# KiCad board B3_panel.kicad_pcb (continued)
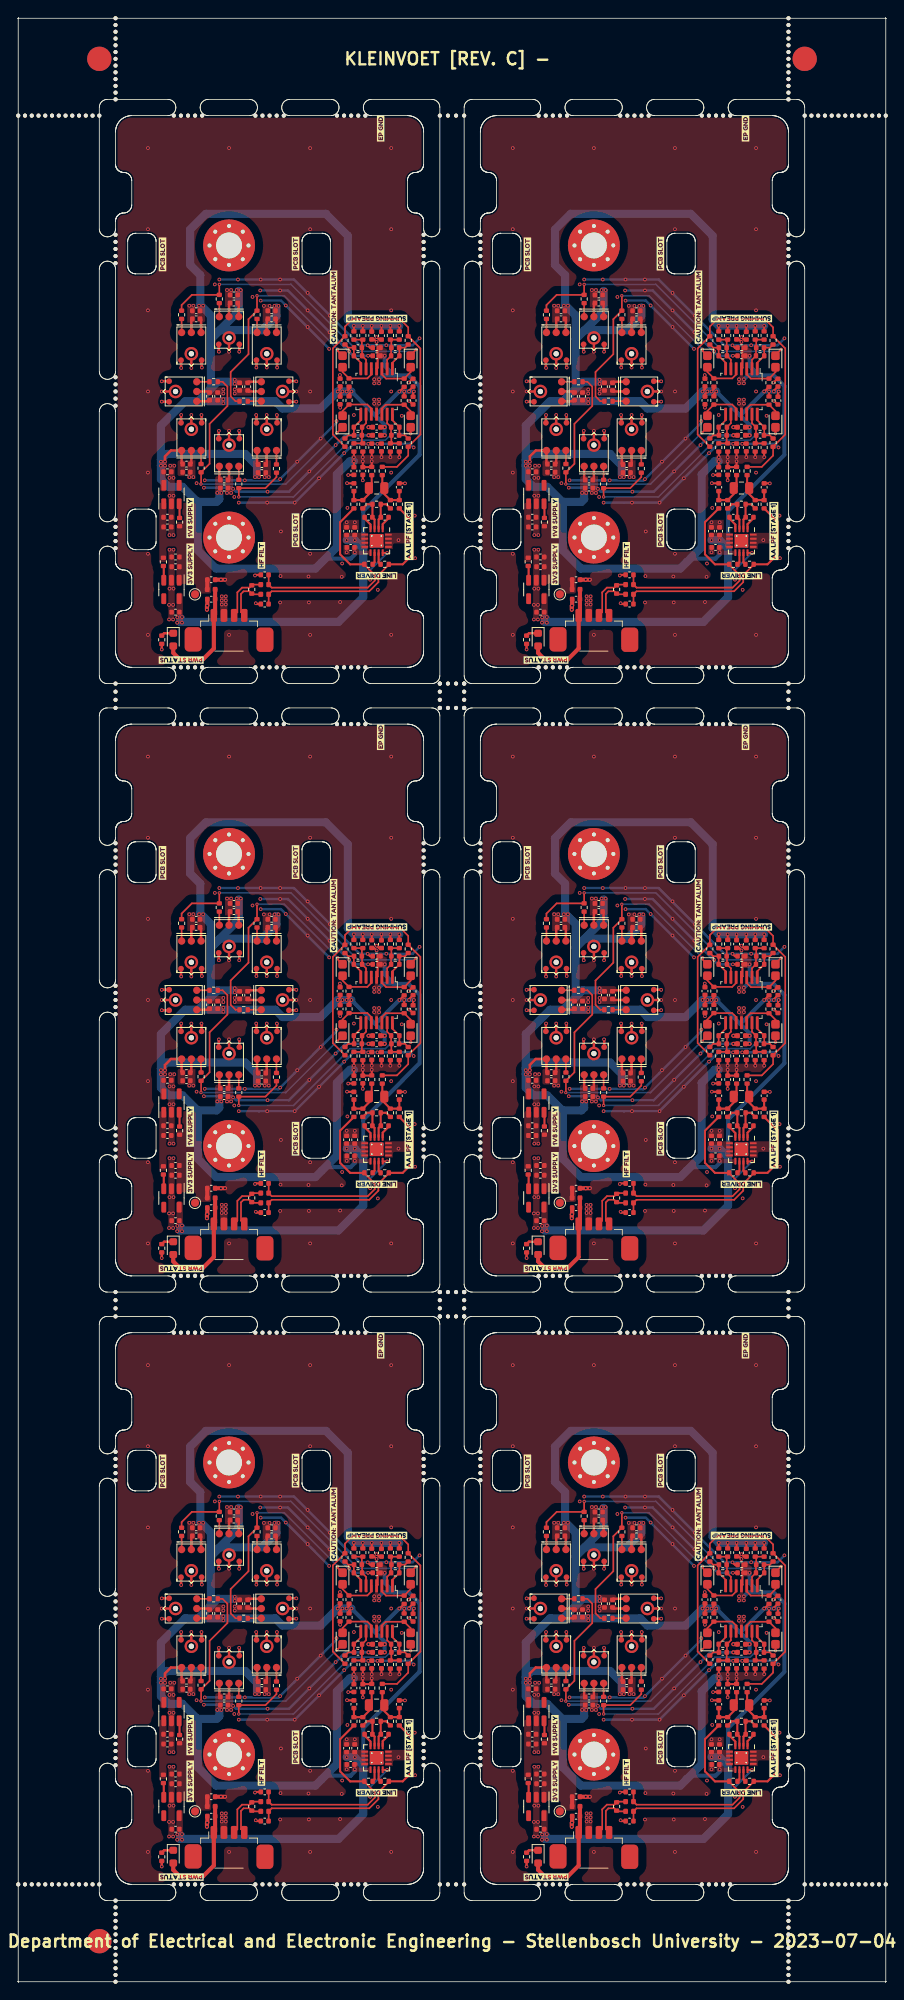
[diagram p0: board, top side]
## Routing (per net, layer and track width the routed paths; a pad name or vN(x,y) marks a point on that pad's centre or on a via; arc(x,y) is an arc through that point) (continued)
  Top w0.3: v1(74.35,193.1) 74.38,193.07 MK1405#3.4 ; MK1406.4 67.62,198.98 v1(67.65,198.95) ; CB1401#5.2 75.65,187.12 MK1405#3.6 ; MK1408#3.2 74.38,198.95 v1(74.38,198.95) ; v1(76.93,198.95) 76.92,198.95 MK1408#3.4 ; CB1404#4.2 71,206.78 MK1402#3.6 ; MK1403#4.3 v1(79.3,196) ; MK1404#6.4 62.72,194.73 v1(62.7,194.75) ; v1(72.25,191.15) 72.27,191.13 MK1401#3.2 ; MK1408#3.3 v1(75.65,198.95) ; v1(69.75,200.9) 69.73,200.92 MK1402#3.2 ; CB1406#5.2 75.65,204.83 MK1408#3.6 ; R1002#6.2 v1(62.7,164.2) ; v1(79.3,194.75) 79.28,194.73 MK1403#4.2 ; MK1403#4.4 79.28,197.27 v1(79.3,197.25) ; v1(69.75,191.15) 69.73,191.13 MK1401#3.4 ; MK1401#3.6 71,185.22 CB1405#5.2 ; MK1407#3.2 67.62,193.08 v1(67.6,193.1) ; MK1403#4.6 73.42,196 CB1407#3.2 ; CB1402.2 66.35,204.83 MK1406.6 ; MK1405#3.3 v1(75.65,193.1) ; C1506#4.2 66.35,187.17 MK1407#3.6 ; MK1404#6.2 62.72,197.27 v1(62.7,197.25) ; MK1404#6.3 v1(62.7,196) ; MK1407#3.4 65.08,193.08 v1(65.1,193.1) ; v1(72.25,200.9) 72.27,200.92 MK1402#3.4 ; MK1401#3.3 v1(71,191.15) ; MK1404#6.6 68.48,196 CB1408#2.2 ; MK1402#3.3 v1(71,200.9) ; MK1407#3.3 v1(66.35,193.1) ; v1(76.9,193.1) 76.92,193.08 MK1405#3.2 ; MK1406.3 v1(66.35,198.9) ; v1(65.1,198.9) 65.08,198.92 MK1406.2
  Top w0.5: C1004#3.2 v1(88.2,191.6) ; v1(68.28,169.1) 68.28,169.57 v1(68.3,169.6) 68.32,169.62 C1003.2 ; v1(70.5,172.8) v1(70,172.8) C1005#5.2 ; C1008.2 v1(88.2,190.6)
  Bottom w0.2: 73.9,185 76.2,185
  Bottom w0.3: v1(94.5,202.55) 93.64,201.69 90.41,201.69 v1(90.4,201.7) 90.39,201.69 v1(88.1,201.69) 88.09,201.7 87.1,201.7 v1(83.45,205.35) 80.7,208.1 v1(80.7,208.15) 80.65,208.15 79,209.8 v1(77.3,209.8) v1(74.9,209.8) v1(72.1,209.8) v1(69.8,209.8) ; v1(93.77,189.1) 93.32,189.55 v1(88.17,189.55) 86.35,189.55 v1(85.2,188.4) v1(82.1,185.3) v1(79.1,182.3) v1(72.2,182.3) ; v1(84.25,192.35) 84.25,192.15 v1(82.3,190.2) 79.45,187.35 v1(79.4,187.35) 79.4,187.3 v1(77.3,185.2) 77.1,185 76.2,185 ; v1(74.9,207.2) 74.9,207.2 77.4,207.2 v1(78,206.6) 80.65,203.95 v1(80.7,203.95) 80.7,203.9 83.35,201.25 v1(83.35,201.25) ; 73.85,185.05 v1(72.95,185.05) v1(68,185.05) ; v1(67.9,184.14) 67.91,184.15 69.48,184.15 69.48,184.15 70.12,184.15 70.12,184.15 71.35,184.15 v1(71.5,184) 71.85,183.65 v1(75.75,183.65) 78.4,183.65 v1(80.9,186.15) v1(84.15,189.4) 85.35,190.6 v1(88.2,190.6) ; v1(74.85,208.45) v1(77.3,208.45) 78.25,208.45 v1(80.7,206) v1(83.4,203.3) 85.75,200.95 v1(85.82,200.95) 85.82,200.88 86.3,200.4 v1(88.15,200.4)
  vias: v1(61,226) v1(61,216) v1(61,206) v1(61,196) v1(61,186) v1(61,176) v1(61,166) v1(63.6,169.7) v1(63.6,167.9) v1(63.75,186.85) v1(63.65,185.35) v1(63.65,183.15) v1(63.65,178.3) v1(63.65,176.5) v1(63.65,171.7) v1(64.1,169.7) v1(64.1,167.9) v1(64.15,185.35) v1(64.15,183.15) v1(64.15,178.3) v1(64.15,176.5) v1(64.15,171.7) v1(64.25,186.85) v1(66.1,206.57) v1(66.1,185.45) v1(66.6,206.57) v1(66.6,185.45) v1(67,184.7) v1(69.25,209.2) v1(70.1,170.75) v1(70.1,170.25) v1(70.1,169.75) v1(70.3,196.25) v1(70.3,195.75) v1(70.6,170.75) v1(70.6,170.25) v1(70.6,169.75) v1(70.75,208.5) v1(70.75,183.5) v1(71,226) v1(71,166) v1(71.25,208.5) v1(71.25,183.5) v1(71.65,183) v1(71.7,196.25) v1(71.7,195.75) v1(73.9,207.65) v1(75.3,206.55) v1(75.4,185.45) v1(75.7,182.3) v1(75.9,185.45) v1(76,206.55) v1(77.35,173.25) v1(77.3,170) v1(77.4,178.75) v1(80.8,173.2) v1(80.85,170) v1(81,226) v1(81,216) v1(81,196) v1(81,176) v1(81,166) v1(84.7,170.05) v1(84.95,174.8) v1(84.9,173.15) v1(85.51,179.88) v1(85.51,176.18) v1(85.6,181.65) v1(86.4,193.1) v1(86.51,179.88) v1(88.4,172.8) v1(88.9,195) v1(88.9,194.5) v1(89.35,171.55) v1(89.5,195) v1(89.5,194.5) v1(91,226) v1(91,216) v1(91,206) v1(91,196) v1(91,186) v1(91,166) v1(91.9,177.68) v1(92.3,193) v1(92.9,177.68) v1(93.9,180.7) v1(93.95,175.45)
Board3_1-Net-(C1601-Pad1): length 5.7
  Top w0.25: C1606#2.2 R1605#5.2 R1603#4.2 88.43,183.53 88.43,184.1 88.6,184.28 R1601#3.1
Board3_1-Net-(C1601-Pad2): length 5.7
  Top w0.25: R1602#6.1 89.9,184.18 89.97,184.1 89.97,183.53 R1604#3.2 R1606#2.2 C1607#4.2
Board3_1-Net-(D1001-K): length 1.5
  Top w0.3: R1002#6.1 63,166.2 D1001#5.1
Board3_1-Net-(U1001-EN): length 1.8
  Top w0.25: R1001#3.2 64.9,182.11 U1001#4.3
Board3_1-Net-(U1002-EN): length 1.8
  Top w0.25: R1003#6.2 62.95,174.44 U1002#4.3
Board3_1-VCC_SENSOR: length 14.1
  Top w0.5: D1001#5.2 64.12,163.78 64.9,163 67.8,163 69.12,164.32 J1101#5.4 69.28,168.56 C1003.1 69.28,171.59 69.28,171.6
Board3_2-+1V8: length 228.4
  Top w0.25: v1(47.6,121) R1628#3.1 ; CB1604#3.1 39.7,120.7 v1(40,121) ; v1(48.2,121) 48.2,121.1 CB1606.1 ; v1(43.6,112.4) R1601#5.2 43.57,111.68 CB1003.1 v1(42.5,112.4) ; R1626#5.2 v1(45.9,112.9) ; R1633#3.1 40.8,120.7 v1(41.1,121) ; R1618#3.2 v1(47,129.1) ; v1(47,121) 47.03,121 R1621#4.1 ; CB1609#4.1 v1(43.6,129.1) ; R1632#5.2 v1(41.4,112.9) ; R1622#2.1 40.8,121.3 v1(40.5,121) ; v1(48.8,121) 48.7,120.9 CB1603.1 ; R1617#3.2 v1(45.9,129.1) ; R1627.2 v1(47,112.9) ; CB1608#5.1 v1(43.6,112.9) ; R1620#2.2 v1(41.4,129.1) ; R1631#5.2 v1(42.5,112.9) ; R1619#2.2 v1(42.5,129.1) ; CB1607#5.1 v1(44.8,112.9) ; C1009.1 v1(41.4,112.4) ; v1(39.4,121) 39.7,121.3 CB1605#3.1 ; CB1610#3.1 v1(44.8,129.1)
  Top w0.3: CB1401#4.1 29.45,112.12 MK1405#2.5 ; MK1402#4.5 27.2,131.78 CB1404#3.1 ; MK1408#5.5 31.85,129.83 CB1406#4.1 ; CB1408#5.1 23.48,119.8 MK1404#4.5 ; CB1407#4.1 28.42,122.2 MK1403#5.5 ; MK1406#5.5 22.55,129.83 CB1402#3.1 ; C1506.1 20.15,112.17 MK1407#4.5 18.83,113.73 18.1,113 v1(18.1,112.35) ; MK1401#5.5 24.8,110.22 CB1405#2.1
  Top w0.5: C1004#4.1 v1(45.2,116.6) ; C1008#4.1 v1(45.2,115.6)
  Bottom w0.5: v1(48.8,121) v1(48.2,121) v1(47,121) 44.05,118.05 ; v1(45.2,115.6) 45.2,116.9 44.05,118.05 ; 37.44,99.96 37.88,100.4 41,100.4 41,100.4 41.51,100.91 v1(41.51,101.18) ; 44.05,118.05 v1(41.1,121)
  Bottom w1: 22.1,107.4 20.25,109.25 18.55,109.25 17.6,110.2 v1(17.6,111.85) ; 22.1,107.4 24.48,107.4 24.8,107.72 24.8,108.38 ; 22.1,107.4 22.17,107.33 22.17,101.41 24.41,99.17 36.65,99.17 39.3,101.82 39.3,110.8 40.9,112.4 v1(41.4,112.4) ; 22.3,119.8 31.7,119.8 32.6,118.9 37.3,118.9 v1(39.4,121) v1(41.1,121) ; 27.2,133.4 27.2,130.9 23.75,127.45 24.85,128.55 30.07,128.55 31.85,130.33 31.85,131.35 ; 23.75,121.35 24.6,122.2 26.6,122.2 ; 23.75,121.35 23.75,130.37 22.45,131.67 22.45,135.35 21.2,136.6 21.2,140.95 23.15,142.9 37.95,142.9 40.65,140.2 40.65,129.85 v1(41.4,129.1) v1(47,129.1) ; 23.75,121.35 22.2,119.8 20.6,119.8 17.6,116.8 v1(17.6,111.85) ; 29.45,110.75 29.45,111.85 28,113.3 18.3,113.3 17.6,112.6 v1(17.6,111.85)
  vias: v1(17.6,112.35) v1(18.1,111.85) v1(22.3,131.57) v1(22.8,131.57) v1(24.55,108.5) v1(25.05,108.5) v1(25.3,120.05) v1(25.3,119.55) v1(26.7,122.45) v1(26.7,121.95) v1(26.95,133.5) v1(27.45,133.5) v1(29.2,110.45) v1(29.7,110.45) v1(31.6,131.55) v1(32.1,131.55)
Board3_2-+3.3V_SENSOR: length 72.6
  Top w0.25: 44.32,125.4 44.32,123.93 U1601#2.4 ; 44.32,125.4 CB1502#5.1 ; 44.32,125.4 44.32,126.55 ; v1(45.5,101.1) 44.99,101.1 U1701#5.12
  Bottom w0.25: v1(45.5,101.1) 42.55,98.15 42.55,97.75
  Bottom w0.5: 46.35,123 45,123 v1(44.5,122.5) ; 46.35,123 45.2,124.15 v1(45.2,125.4) ; 46.35,123 48.15,123 49.5,121.65 49.5,113.2 42.55,106.25 42.55,101.64
  Bottom w1: 20.1,93 19.95,92.85 19.95,92.6 39.5,92.6 42.55,95.65 42.55,101.64 v1(41.51,102.68) v1(40.51,102.68)
  vias: v1(19.62,93.16) v1(19.6,92.5) v1(20.2,93.2) v1(20.2,92.5) v1(43.9,122.5) v1(43.9,122) v1(44.5,122)
Board3_2-/Sensor_board/Buffer/IN0: length 1.6
  Top w0.2: MK1404#4.1 R1609#5.1
Board3_2-/Sensor_board/Buffer/IN1: length 1.7
  Top w0.2: R1614#6.1 MK1406#5.1
Board3_2-/Sensor_board/Buffer/IN2: length 1.7
  Top w0.2: R1611#4.1 MK1402#4.1
Board3_2-/Sensor_board/Buffer/IN3: length 1.7
  Top w0.2: R1616#5.1 MK1408#5.1
Board3_2-/Sensor_board/Buffer/IN4: length 1.7
  Top w0.2: R1610#6.1 MK1403#5.1
Board3_2-/Sensor_board/Buffer/IN5: length 1.7
  Top w0.2: MK1405#2.1 R1613#5.1
Board3_2-/Sensor_board/Buffer/IN6: length 1.7
  Top w0.2: MK1401#5.1 R1612#3.1
Board3_2-/Sensor_board/Buffer/IN7: length 1.7
  Top w0.2: MK1407#4.1 R1615#4.1
Board3_2-/Sensor_board/Buffer/PAIR_A: length 36
  Top w0.2: v2(49.1,126.19) 49.09,126.19 48.4,125.5 ; v2(24.8,134.2) R1611#4.2 21.41,132.91 20.15,131.65 R1614#6.2
  Bottom w0.2: v2(49.1,126.19) 48.86,125.95 41.9,125.95 33.65,134.2 v2(24.8,134.2)
Board3_2-/Sensor_board/Buffer/PAIR_B: length 28.8
  Top w0.2: v2(29.45,132.8) R1616#5.2 28.4,129.91 28.4,125.6 26.2,123.4 26.2,120.4 26.8,119.8 R1610#6.2 ; 40,125.4 39.4,126 v2(39.4,126.2)
  Bottom w0.2: v2(39.4,126.2) 32.8,132.8 v2(29.45,132.8)
Board3_2-/Sensor_board/Buffer/PAIR_C: length 35.2
  Top w0.2: R1609#5.2 25.2,122.2 25.8,121.6 25.8,119.21 23.6,117.01 23.6,112.09 R1615#4.2 22.55,109.6 v2(22.54,109.59) ; v2(39.3,115.9) 39.31,115.9 C1609#3.1
  Bottom w0.2: v2(22.54,109.59) 32.99,109.59 v2(39.3,115.9)
Board3_2-/Sensor_board/Buffer/PAIR_D: length 32.1
  Top w0.2: v2(48.4,115.8) C1613.1 ; v2(27.2,108) R1612#3.2 30.49,109.09 31.85,110.45 R1613#5.2
  Bottom w0.2: v2(48.4,115.8) 46.07,115.8 45.28,115 40.95,115 33.95,108 v2(27.2,108)
Board3_2-/Sensor_board/Buffer/PREAMP_A_FB: length 5
  Top w0.2: R1618#3.1 R1617#3.1 46.02,127.27 C1502#5.2 45.99,126.37 R1514#5.1 45.5,124.91 U1601#2.2
Board3_2-/Sensor_board/Buffer/PREAMP_A_OUT: length 4.3
  Top w0.2: R1623#5.2 47.71,126.4 C1502#5.1 47.01,126.37 R1514#5.2 46.15,124.54 U1601#2.1
Board3_2-/Sensor_board/Buffer/PREAMP_B_FB: length 5
  Top w0.2: R1620#2.1 R1619#2.1 42.38,127.27 C1610#2.2 42.41,126.37 R1624.1 42.9,124.91 U1601#2.6
Board3_2-/Sensor_board/Buffer/PREAMP_B_OUT: length 4.3
  Top w0.2: R1625.2 40.69,126.4 C1610#2.1 41.39,126.37 R1624.2 42.25,124.54 U1601#2.7
Board3_2-/Sensor_board/Buffer/PREAMP_C_FB: length 5
  Top w0.2: U1601#2.9 42.9,117.09 R1634#2.1 42.41,115.63 C1612#3.2 42.38,114.73 R1631#5.1 R1632#5.1
Board3_2-/Sensor_board/Buffer/PREAMP_C_OUT: length 4.3
  Top w0.2: U1601#2.8 42.25,117.46 R1634#2.2 41.39,115.63 C1612#3.1 40.69,115.6 R1635#6.2
Board3_2-/Sensor_board/Buffer/PREAMP_D_FB: length 5
  Top w0.2: U1601#2.13 45.5,117.09 R1629.1 45.99,115.63 C1611#6.2 46.02,114.73 R1626#5.1 R1627.1
Board3_2-/Sensor_board/Buffer/PREAMP_D_OUT: length 4.3
  Top w0.2: R1630#6.2 47.71,115.6 C1611#6.1 47.01,115.63 R1629.2 46.15,117.46 U1601#2.14
Board3_2-/Sensor_board/Buffer/SENS_ARRAY_A: length 5.4
  Top w0.2: C1608.2 48.4,123.39 R1621#4.2 45.36,122.59 44.85,123.1 U1601#2.3
Board3_2-/Sensor_board/Buffer/SENS_ARRAY_B: length 5.4
  Top w0.2: C1614#4.2 40,123.41 R1622#2.2 43.06,122.61 43.55,123.1 U1601#2.5
Board3_2-/Sensor_board/Buffer/SENS_ARRAY_C: length 5.4
  Top w0.2: U1601#2.10 43.55,118.9 43.06,119.39 R1633#3.2 40,118.59 C1609#3.2
Board3_2-/Sensor_board/Buffer/SENS_ARRAY_D: length 5.3
  Top w0.2: U1601#2.12 44.85,118.9 45.32,119.37 R1628#3.2 48.4,118.57 C1613.2
Board3_2-/Sensor_board/Preamplifier/FB: length 1.7
  Top w0.25: C1603#3.1 42.72,105.33 43.45,104.6 U1701#5.4
Board3_2-/Sensor_board/Preamplifier/FDA_IN: length 4.6
  Top w0.25: R1604.1 45.39,107.1 C1602#3.2 44.71,105.51 C1604#4.2 44.45,105.23 U1701#5.2
Board3_2-/Sensor_board/Preamplifier/FDA_~{IN}: length 4.6
  Top w0.25: U1701#5.3 43.95,105.23 C1603#3.2 43.69,105.51 C1602#3.1 43.01,107.1 R1603#6.1
Board3_2-/Sensor_board/Preamplifier/OUT: length 1.5
  Top w0.25: R1607#3.2 43.95,99.94 U1701#5.10
Board3_2-/Sensor_board/Preamplifier/SIG_N: length 27.8
  Top w0.2: C1102#3.2 30.88,94.81 30.88,96 31.26,96.37 43.29,96.37 44.43,97.51 44.43,98.37 45.71,99.65 R1608#3.1
  Top w0.25: 45.78,99.7 47.42,99.7 48.66,100.94 48.66,104.93 R1606#3.1
Board3_2-/Sensor_board/Preamplifier/SIG_P: length 27.1
  Top w0.2: C1101#6.1 30.88,98.4 30.88,97.2 31.26,96.83 43.11,96.83 43.97,97.69 43.97,98.37 42.69,99.65 R1607#3.1
  Top w0.25: R1605#3.1 39.7,104.89 39.7,100.93 40.94,99.69 42.57,99.69
Board3_2-/Sensor_board/Preamplifier/~{FB}: length 1.7
  Top w0.25: U1701#5.1 44.95,104.65 45.68,105.38 C1604#4.1
Board3_2-/Sensor_board/Preamplifier/~{OUT}: length 1.5
  Top w0.25: R1608#3.2 44.45,99.94 U1701#5.11
Board3_2-/Sensor_board/Sensor_Conn_3/SIG_CONN_N: length 5.5
  Top w0.2: FB1102#3.1 28.89,96 R1101#6.2 28.52,96.37 27.79,96.37 27.47,96.06 27.47,93.8 J1101#2.1
Board3_2-/Sensor_board/Sensor_Conn_3/SIG_CONN_P: length 6.3
  Top w0.2: FB1101#3.1 28.89,97.2 R1101#6.1 28.52,96.83 27.61,96.83 27.03,96.24 27.03,93.8 J1101#2.2
Board3_2-/Sensor_board/SUM_OUT_P: length 45.6
  Top w0.2: 44.8,111.71 46.71,111.71 48.1,113.1 R1630#6.1 49.6,115.69 49.6,126.31 R1623#5.1 48.1,128.9 47.1,129.9 41.2,129.9 40.3,129 R1625.1 38.8,126.31 38.8,115.69 R1635#6.1
Board3_2-GND_SENSOR: length 175.3
  Top w0.25: v1(43.1,126.69) 43.39,126.4 C1504#2.2 ; C1606#6.1 40.57,109.68 v1(40.55,109.7) ; C1101#6.2 29.28,98.4 v1(29.2,98.32) ; CB1003.2 v1(42.5,110.05) ; C1009.2 40.72,110.72 v1(40.7,110.7) ; v1(48.24,119.82) 48.66,119.4 CB1603.2 ; CB1606.2 48.61,122.56 v1(48.15,122.1) ; CB1605#3.2 39.7,123 v1(39.68,123.03) ; CB1604#3.2 39.7,119 v1(39.7,119) ; C1102#3.1 29.4,94.8 v1(29.3,94.9) ; C1607.1 47.69,109.68 v1(47.7,109.68) ; CB1608#5.2 43.2,114.58 v1(43.17,114.55) ; CB1607#5.2 44.33,114.58 v1(44.3,114.55) ; CB1502#5.2 v1(43.15,125.4) ; v1(44.2,127.7) 44.5,127.4 CB1610#3.2 ; v1(44.2,127.1) 43.88,127.42 CB1609#4.2
  Top w0.3: MK1402#4.4 27.27,125.92 v1(27.25,125.9) ; MK1403#5.3 v1(34.3,121) ; MK1401#5.6 26,110.22 CB1405#2.2 ; MK1405#2.4 29.38,118.07 v1(29.35,118.1) ; MK1407#4.2 22.62,118.08 v1(22.6,118.1) ; v1(34.3,122.25) 34.28,122.27 MK1403#5.4 ; MK1406#5.2 20.08,123.92 v1(20.1,123.9) ; MK1404#4.4 17.72,119.73 v1(17.7,119.75) ; MK1404#4.2 17.72,122.27 v1(17.7,122.25) ; MK1406#5.3 v1(21.35,123.9) ; MK1402#4.6 26,131.78 CB1404#3.2 ; MK1402#4.3 v1(26,125.9) ; v1(20.1,118.1) 20.08,118.08 MK1407#4.4 ; MK1407#4.6 21.35,112.17 C1506.2 ; MK1405#2.2 31.92,118.08 v1(31.9,118.1) ; v1(27.25,116.15) 27.27,116.13 MK1401#5.2 ; v1(29.38,123.95) 29.38,123.96 MK1408#5.2 ; MK1403#5.6 28.42,121 CB1407#4.2 ; MK1401#5.4 24.73,116.13 v1(24.75,116.15) ; v1(24.75,125.9) 24.73,125.92 MK1402#4.2 ; CB1408#5.2 23.48,121 MK1404#4.6 ; R1002.2 v1(17.7,89.2) ; MK1404#4.3 v1(17.7,121) ; v1(34.3,119.75) 34.28,119.73 MK1403#5.2 ; MK1405#2.3 v1(30.65,118.1) ; CB1402#3.2 21.35,129.83 MK1406#5.6 ; MK1408#5.6 30.65,129.83 CB1406#4.2 ; MK1401#5.3 v1(26,116.15) ; MK1405#2.6 30.65,112.12 CB1401#4.2 ; MK1407#4.3 v1(21.35,118.1) ; MK1406#5.4 22.62,123.98 v1(22.65,123.95) ; v1(31.93,123.95) 31.92,123.96 MK1408#5.4 ; MK1408#5.3 v1(30.65,123.95)
  Top w0.5: C1004#4.2 v1(43.2,116.6) ; v1(23.28,94.1) 23.28,94.57 v1(23.3,94.6) 23.32,94.62 C1003#3.2 ; C1008#4.2 v1(43.2,115.6) ; C1005#6.2 v1(25,97.8) v1(25.5,97.8)
  Bottom w0.2: 28.9,110 31.2,110
  Bottom w0.3: v1(39.25,117.35) 39.25,117.15 v1(37.3,115.2) 34.45,112.35 v1(34.4,112.35) 34.4,112.3 v1(32.3,110.2) 32.1,110 31.2,110 ; v1(43.15,125.4) 41.3,125.4 40.82,125.88 v1(40.82,125.95) 40.75,125.95 v1(38.4,128.3) v1(35.7,131) 33.25,133.45 v1(32.3,133.45) v1(29.85,133.45) ; v1(48.77,114.1) 48.32,114.55 v1(43.17,114.55) 41.35,114.55 v1(40.2,113.4) v1(37.1,110.3) v1(34.1,107.3) v1(27.2,107.3) ; 28.85,110.05 v1(27.95,110.05) v1(23,110.05) ; v1(43.2,115.6) 40.35,115.6 v1(39.15,114.4) v1(35.9,111.15) 33.4,108.65 v1(30.75,108.65) 26.85,108.65 v1(26.5,109) 26.35,109.15 25.12,109.15 25.12,109.15 24.48,109.15 24.48,109.15 22.91,109.15 v1(22.9,109.14) ; v1(38.35,126.25) 38.35,126.25 35.7,128.9 v1(35.7,128.95) 35.65,128.95 v1(33,131.6) 32.4,132.2 29.9,132.2 v1(29.9,132.2) ; v1(24.8,134.8) v1(27.1,134.8) v1(29.9,134.8) v1(32.3,134.8) 34,134.8 35.65,133.15 v1(35.7,133.15) 35.7,133.1 v1(38.45,130.35) 42.1,126.7 43.09,126.7 v1(43.1,126.69) 45.39,126.69 v1(45.4,126.7) 45.41,126.69 48.64,126.69 v1(49.5,127.55)
  vias: v1(16,151) v1(16,141) v1(16,131) v1(16,121) v1(16,111) v1(16,101) v1(16,91) v1(18.6,94.7) v1(18.6,92.9) v1(18.75,111.85) v1(18.65,110.35) v1(18.65,108.15) v1(18.65,103.3) v1(18.65,101.5) v1(18.65,96.7) v1(19.1,94.7) v1(19.1,92.9) v1(19.15,110.35) v1(19.15,108.15) v1(19.15,103.3) v1(19.15,101.5) v1(19.15,96.7) v1(19.25,111.85) v1(21.1,131.57) v1(21.1,110.45) v1(21.6,131.57) v1(21.6,110.45) v1(22,109.7) v1(24.25,134.2) v1(25.1,95.75) v1(25.1,95.25) v1(25.1,94.75) v1(25.3,121.25) v1(25.3,120.75) v1(25.6,95.75) v1(25.6,95.25) v1(25.6,94.75) v1(25.75,133.5) v1(25.75,108.5) v1(26,151) v1(26,91) v1(26.25,133.5) v1(26.25,108.5) v1(26.65,108) v1(26.7,121.25) v1(26.7,120.75) v1(28.9,132.65) v1(30.3,131.55) v1(30.4,110.45) v1(30.7,107.3) v1(30.9,110.45) v1(31,131.55) v1(32.35,98.25) v1(32.3,95) v1(32.4,103.75) v1(35.8,98.2) v1(35.85,95) v1(36,151) v1(36,141) v1(36,121) v1(36,101) v1(36,91) v1(39.7,95.05) v1(39.95,99.8) v1(39.9,98.15) v1(40.51,104.88) v1(40.51,101.18) v1(40.6,106.65) v1(41.4,118.1) v1(41.51,104.88) v1(43.4,97.8) v1(43.9,120) v1(43.9,119.5) v1(44.35,96.55) v1(44.5,120) v1(44.5,119.5) v1(46,151) v1(46,141) v1(46,131) v1(46,121) v1(46,111) v1(46,91) v1(46.9,102.68) v1(47.3,118) v1(47.9,102.68) v1(48.9,105.7) v1(48.95,100.45)
Board3_2-Net-(C1601-Pad1): length 5.7
  Top w0.25: R1601#5.1 43.6,109.28 43.43,109.1 43.43,108.53 R1603#6.2 R1605#3.2 C1606#6.2
Board3_2-Net-(C1601-Pad2): length 5.7
  Top w0.25: C1607.2 R1606#3.2 R1604.2 44.97,108.53 44.97,109.1 44.9,109.18 R1602#2.1
Board3_2-Net-(D1001-K): length 1.5
  Top w0.3: R1002.1 18,91.21 D1001.1
Board3_2-Net-(U1001-EN): length 1.8
  Top w0.25: R1001#4.2 19.9,107.11 U1001#2.3
Board3_2-Net-(U1002-EN): length 1.8
  Top w0.25: R1003.2 17.95,99.44 U1002#2.3
Board3_2-VCC_SENSOR: length 14.1
  Top w0.5: 24.28,96.6 24.28,96.59 C1003#3.1 24.28,93.56 J1101#2.4 24.12,89.32 22.8,88 19.9,88 19.12,88.78 D1001.2
Board3_3-+1V8: length 228.4
  Top w0.25: R1620#3.2 v1(86.4,129.1) ; CB1607#3.1 v1(89.8,112.9) ; v1(85,121) 84.7,120.7 CB1604.1 ; R1621#5.1 92.03,121 v1(92,121) ; CB1610#2.1 v1(89.8,129.1) ; R1626#4.2 v1(90.9,112.9) ; R1622#6.1 85.8,121.3 v1(85.5,121) ; R1618#4.2 v1(92,129.1) ; R1617#6.2 v1(90.9,129.1) ; v1(93.8,121) 93.7,120.9 CB1603#6.1 ; CB1605#2.1 84.7,121.3 v1(84.4,121) ; CB1606#6.1 93.2,121.1 v1(93.2,121) ; v1(86.1,121) 85.8,120.7 R1633.1 ; CB1608#4.1 v1(88.6,112.9) ; v1(88.6,112.4) R1601#2.2 88.57,111.68 CB1003#2.1 v1(87.5,112.4) ; C1009#4.1 v1(86.4,112.4) ; R1627#3.2 v1(92,112.9) ; CB1609.1 v1(88.6,129.1) ; v1(92.6,121) R1628#5.1 ; R1632#3.2 v1(86.4,112.9) ; R1631.2 v1(87.5,112.9) ; R1619.2 v1(87.5,129.1)
  Top w0.3: MK1401#2.5 69.8,110.22 CB1405.1 ; MK1402#6.5 72.2,131.78 CB1404#2.1 ; CB1407.1 73.42,122.2 MK1403.5 ; C1506#2.1 65.15,112.17 MK1407#2.5 63.83,113.73 63.1,113 v1(63.1,112.35) ; CB1401#3.1 74.45,112.12 MK1405#5.5 ; CB1408#4.1 68.48,119.8 MK1404#3.5 ; MK1408#4.5 76.85,129.83 CB1406#3.1 ; MK1406#4.5 67.55,129.83 CB1402#6.1
  Top w0.5: C1008#2.1 v1(90.2,115.6) ; C1004#6.1 v1(90.2,116.6)
  Bottom w0.5: 89.05,118.05 90.2,116.9 v1(90.2,115.6) ; 89.05,118.05 v1(86.1,121) ; 89.05,118.05 v1(92,121) v1(93.2,121) v1(93.8,121) ; 82.44,99.96 82.88,100.4 86,100.4 86,100.4 86.51,100.91 v1(86.51,101.18)
  Bottom w1: v1(62.6,111.85) 62.6,112.6 63.3,113.3 73,113.3 74.45,111.85 74.45,110.75 ; v1(62.6,111.85) 62.6,110.2 63.55,109.25 65.25,109.25 67.1,107.4 ; v1(62.6,111.85) 62.6,116.8 65.6,119.8 67.2,119.8 68.75,121.35 ; 67.1,107.4 69.48,107.4 69.8,107.72 69.8,108.38 ; 67.1,107.4 67.17,107.33 67.17,101.41 69.41,99.17 81.65,99.17 84.3,101.82 84.3,110.8 85.9,112.4 v1(86.4,112.4) ; 68.75,121.35 69.6,122.2 71.6,122.2 ; 68.75,121.35 68.75,130.37 67.45,131.67 67.45,135.35 66.2,136.6 66.2,140.95 68.15,142.9 82.95,142.9 85.65,140.2 85.65,129.85 v1(86.4,129.1) v1(92,129.1) ; 76.85,131.35 76.85,130.33 75.07,128.55 69.85,128.55 68.75,127.45 72.2,130.9 72.2,133.4 ; 67.3,119.8 76.7,119.8 77.6,118.9 82.3,118.9 v1(84.4,121) v1(86.1,121)
  vias: v1(62.6,112.35) v1(63.1,111.85) v1(67.3,131.57) v1(67.8,131.57) v1(69.55,108.5) v1(70.05,108.5) v1(70.3,120.05) v1(70.3,119.55) v1(71.7,122.45) v1(71.7,121.95) v1(71.95,133.5) v1(72.45,133.5) v1(74.2,110.45) v1(74.7,110.45) v1(76.6,131.55) v1(77.1,131.55)
Board3_3-+3.3V_SENSOR: length 72.6
  Top w0.25: U1701.12 89.99,101.1 v1(90.5,101.1) ; 89.32,125.4 89.32,123.93 U1601#5.4 ; 89.32,125.4 89.32,126.55 ; 89.32,125.4 CB1502#3.1
  Bottom w0.25: v1(90.5,101.1) 87.55,98.15 87.55,97.75
  Bottom w0.5: 91.35,123 90.2,124.15 v1(90.2,125.4) ; 91.35,123 93.15,123 94.5,121.65 94.5,113.2 87.55,106.25 87.55,101.64 ; 91.35,123 90,123 v1(89.5,122.5)
  Bottom w1: v1(85.51,102.68) v1(86.51,102.68) 87.55,101.64 87.55,95.65 84.5,92.6 64.95,92.6 64.95,92.85 65.1,93
  vias: v1(64.62,93.16) v1(64.6,92.5) v1(65.2,93.2) v1(65.2,92.5) v1(88.9,122.5) v1(88.9,122) v1(89.5,122)
Board3_3-/Sensor_board/Buffer/IN0: length 1.6
  Top w0.2: MK1404#3.1 R1609#3.1
Board3_3-/Sensor_board/Buffer/IN1: length 1.7
  Top w0.2: R1614#2.1 MK1406#4.1
Board3_3-/Sensor_board/Buffer/IN2: length 1.7
  Top w0.2: R1611#2.1 MK1402#6.1
Board3_3-/Sensor_board/Buffer/IN3: length 1.7
  Top w0.2: R1616.1 MK1408#4.1
Board3_3-/Sensor_board/Buffer/IN4: length 1.7
  Top w0.2: R1610#5.1 MK1403.1
Board3_3-/Sensor_board/Buffer/IN5: length 1.7
  Top w0.2: MK1405#5.1 R1613#4.1
Board3_3-/Sensor_board/Buffer/IN6: length 1.7
  Top w0.2: MK1401#2.1 R1612#4.1
Board3_3-/Sensor_board/Buffer/IN7: length 1.7
  Top w0.2: MK1407#2.1 R1615.1
Board3_3-/Sensor_board/Buffer/PAIR_A: length 36
  Top w0.2: v2(69.8,134.2) R1611#2.2 66.41,132.91 65.15,131.65 R1614#2.2 ; 93.4,125.5 94.09,126.19 v2(94.1,126.19)
  Bottom w0.2: v2(94.1,126.19) 93.86,125.95 86.9,125.95 78.65,134.2 v2(69.8,134.2)
Board3_3-/Sensor_board/Buffer/PAIR_B: length 28.8
  Top w0.2: R1610#5.2 71.8,119.8 71.2,120.4 71.2,123.4 73.4,125.6 73.4,129.91 R1616.2 v2(74.45,132.8) ; v2(84.4,126.2) 84.4,126 85,125.4
  Bottom w0.2: v2(84.4,126.2) 77.8,132.8 v2(74.45,132.8)
Board3_3-/Sensor_board/Buffer/PAIR_C: length 35.2
  Top w0.2: R1609#3.2 70.2,122.2 70.8,121.6 70.8,119.21 68.6,117.01 68.6,112.09 R1615.2 67.55,109.6 v2(67.54,109.59) ; C1609#4.1 84.31,115.9 v2(84.3,115.9)
  Bottom w0.2: v2(67.54,109.59) 77.99,109.59 v2(84.3,115.9)
Board3_3-/Sensor_board/Buffer/PAIR_D: length 32.1
  Top w0.2: R1613#4.2 76.85,110.45 75.49,109.09 R1612#4.2 v2(72.2,108) ; v2(93.4,115.8) C1613#6.1
  Bottom w0.2: v2(72.2,108) 78.95,108 85.95,115 90.28,115 91.07,115.8 v2(93.4,115.8)
Board3_3-/Sensor_board/Buffer/PREAMP_A_FB: length 5
  Top w0.2: R1618#4.1 R1617#6.1 91.02,127.27 C1502.2 90.99,126.37 R1514#4.1 90.5,124.91 U1601#5.2
Board3_3-/Sensor_board/Buffer/PREAMP_A_OUT: length 4.3
  Top w0.2: U1601#5.1 91.15,124.54 R1514#4.2 92.01,126.37 C1502.1 92.71,126.4 R1623#4.2
Board3_3-/Sensor_board/Buffer/PREAMP_B_FB: length 5
  Top w0.2: U1601#5.6 87.9,124.91 R1624#2.1 87.41,126.37 C1610#6.2 87.38,127.27 R1619.1 R1620#3.1
Board3_3-/Sensor_board/Buffer/PREAMP_B_OUT: length 4.3
  Top w0.2: R1625#4.2 85.69,126.4 C1610#6.1 86.39,126.37 R1624#2.2 87.25,124.54 U1601#5.7
Board3_3-/Sensor_board/Buffer/PREAMP_C_FB: length 5
  Top w0.2: R1632#3.1 R1631.1 87.38,114.73 C1612#2.2 87.41,115.63 R1634#5.1 87.9,117.09 U1601#5.9
Board3_3-/Sensor_board/Buffer/PREAMP_C_OUT: length 4.3
  Top w0.2: U1601#5.8 87.25,117.46 R1634#5.2 86.39,115.63 C1612#2.1 85.69,115.6 R1635#5.2
Board3_3-/Sensor_board/Buffer/PREAMP_D_FB: length 5
  Top w0.2: R1627#3.1 R1626#4.1 91.02,114.73 C1611.2 90.99,115.63 R1629#2.1 90.5,117.09 U1601#5.13
Board3_3-/Sensor_board/Buffer/PREAMP_D_OUT: length 4.3
  Top w0.2: U1601#5.14 91.15,117.46 R1629#2.2 92.01,115.63 C1611.1 92.71,115.6 R1630#2.2
Board3_3-/Sensor_board/Buffer/SENS_ARRAY_A: length 5.4
  Top w0.2: U1601#5.3 89.85,123.1 90.36,122.59 R1621#5.2 93.4,123.39 C1608#5.2
Board3_3-/Sensor_board/Buffer/SENS_ARRAY_B: length 5.4
  Top w0.2: U1601#5.5 88.55,123.1 88.06,122.61 R1622#6.2 85,123.41 C1614#6.2
Board3_3-/Sensor_board/Buffer/SENS_ARRAY_C: length 5.4
  Top w0.2: C1609#4.2 85,118.59 R1633.2 88.06,119.39 88.55,118.9 U1601#5.10
Board3_3-/Sensor_board/Buffer/SENS_ARRAY_D: length 5.3
  Top w0.2: U1601#5.12 89.85,118.9 90.32,119.37 R1628#5.2 93.4,118.57 C1613#6.2
Board3_3-/Sensor_board/Preamplifier/FB: length 1.7
  Top w0.25: C1603#5.1 87.72,105.33 88.45,104.6 U1701.4
Board3_3-/Sensor_board/Preamplifier/FDA_IN: length 4.6
  Top w0.25: U1701.2 89.45,105.23 C1604.2 89.71,105.51 C1602#2.2 90.39,107.1 R1604#5.1
Board3_3-/Sensor_board/Preamplifier/FDA_~{IN}: length 4.6
  Top w0.25: U1701.3 88.95,105.23 C1603#5.2 88.69,105.51 C1602#2.1 88.01,107.1 R1603#2.1
Board3_3-/Sensor_board/Preamplifier/OUT: length 1.5
  Top w0.25: R1607#4.2 88.95,99.94 U1701.10
Board3_3-/Sensor_board/Preamplifier/SIG_N: length 27.8
  Top w0.2: R1608#5.1 90.71,99.65 89.43,98.37 89.43,97.51 88.29,96.37 76.26,96.37 75.88,96 75.88,94.81 C1102#6.2
  Top w0.25: 90.78,99.7 92.42,99.7 93.66,100.94 93.66,104.93 R1606.1
Board3_3-/Sensor_board/Preamplifier/SIG_P: length 27.1
  Top w0.2: C1101.1 75.88,98.4 75.88,97.2 76.26,96.83 88.11,96.83 88.97,97.69 88.97,98.37 87.69,99.65 R1607#4.1
  Top w0.25: R1605#4.1 84.7,104.89 84.7,100.93 85.94,99.69 87.57,99.69
